# Altium PCB SFPP.PcbDoc (part 1 of 4) (continued)
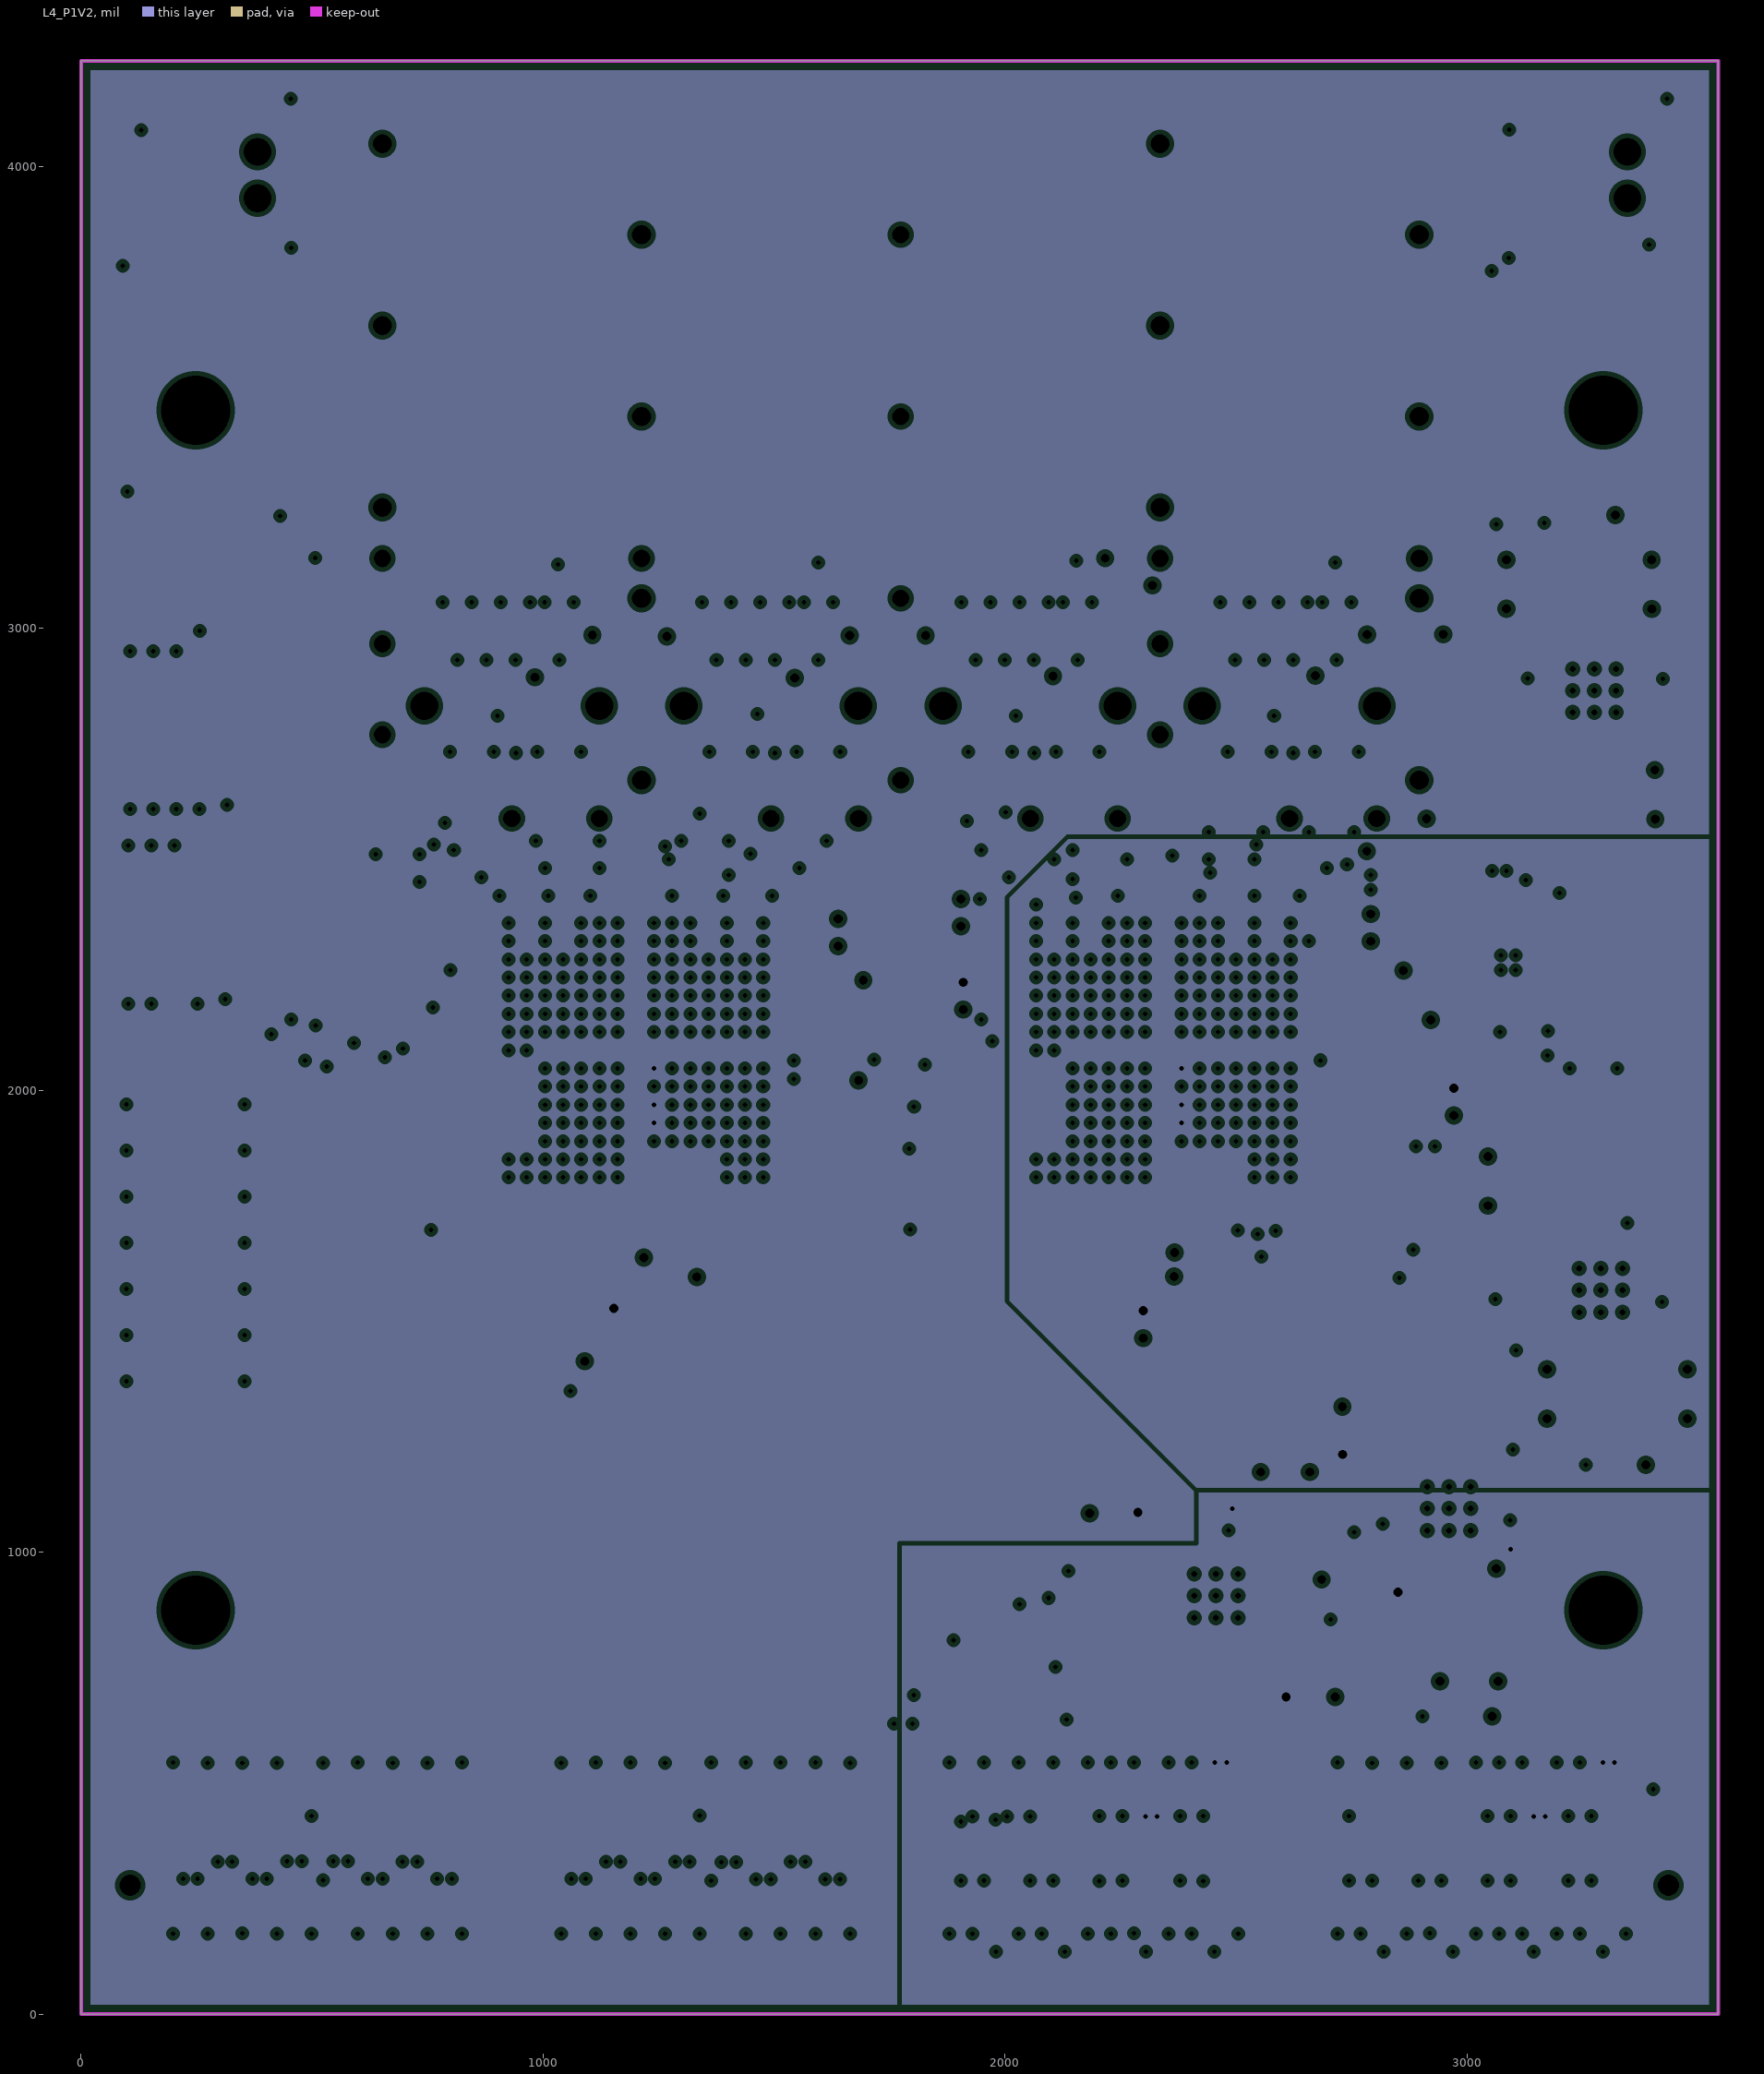
[diagram p4: L4_P1V2, clearances drawn from the general rule]
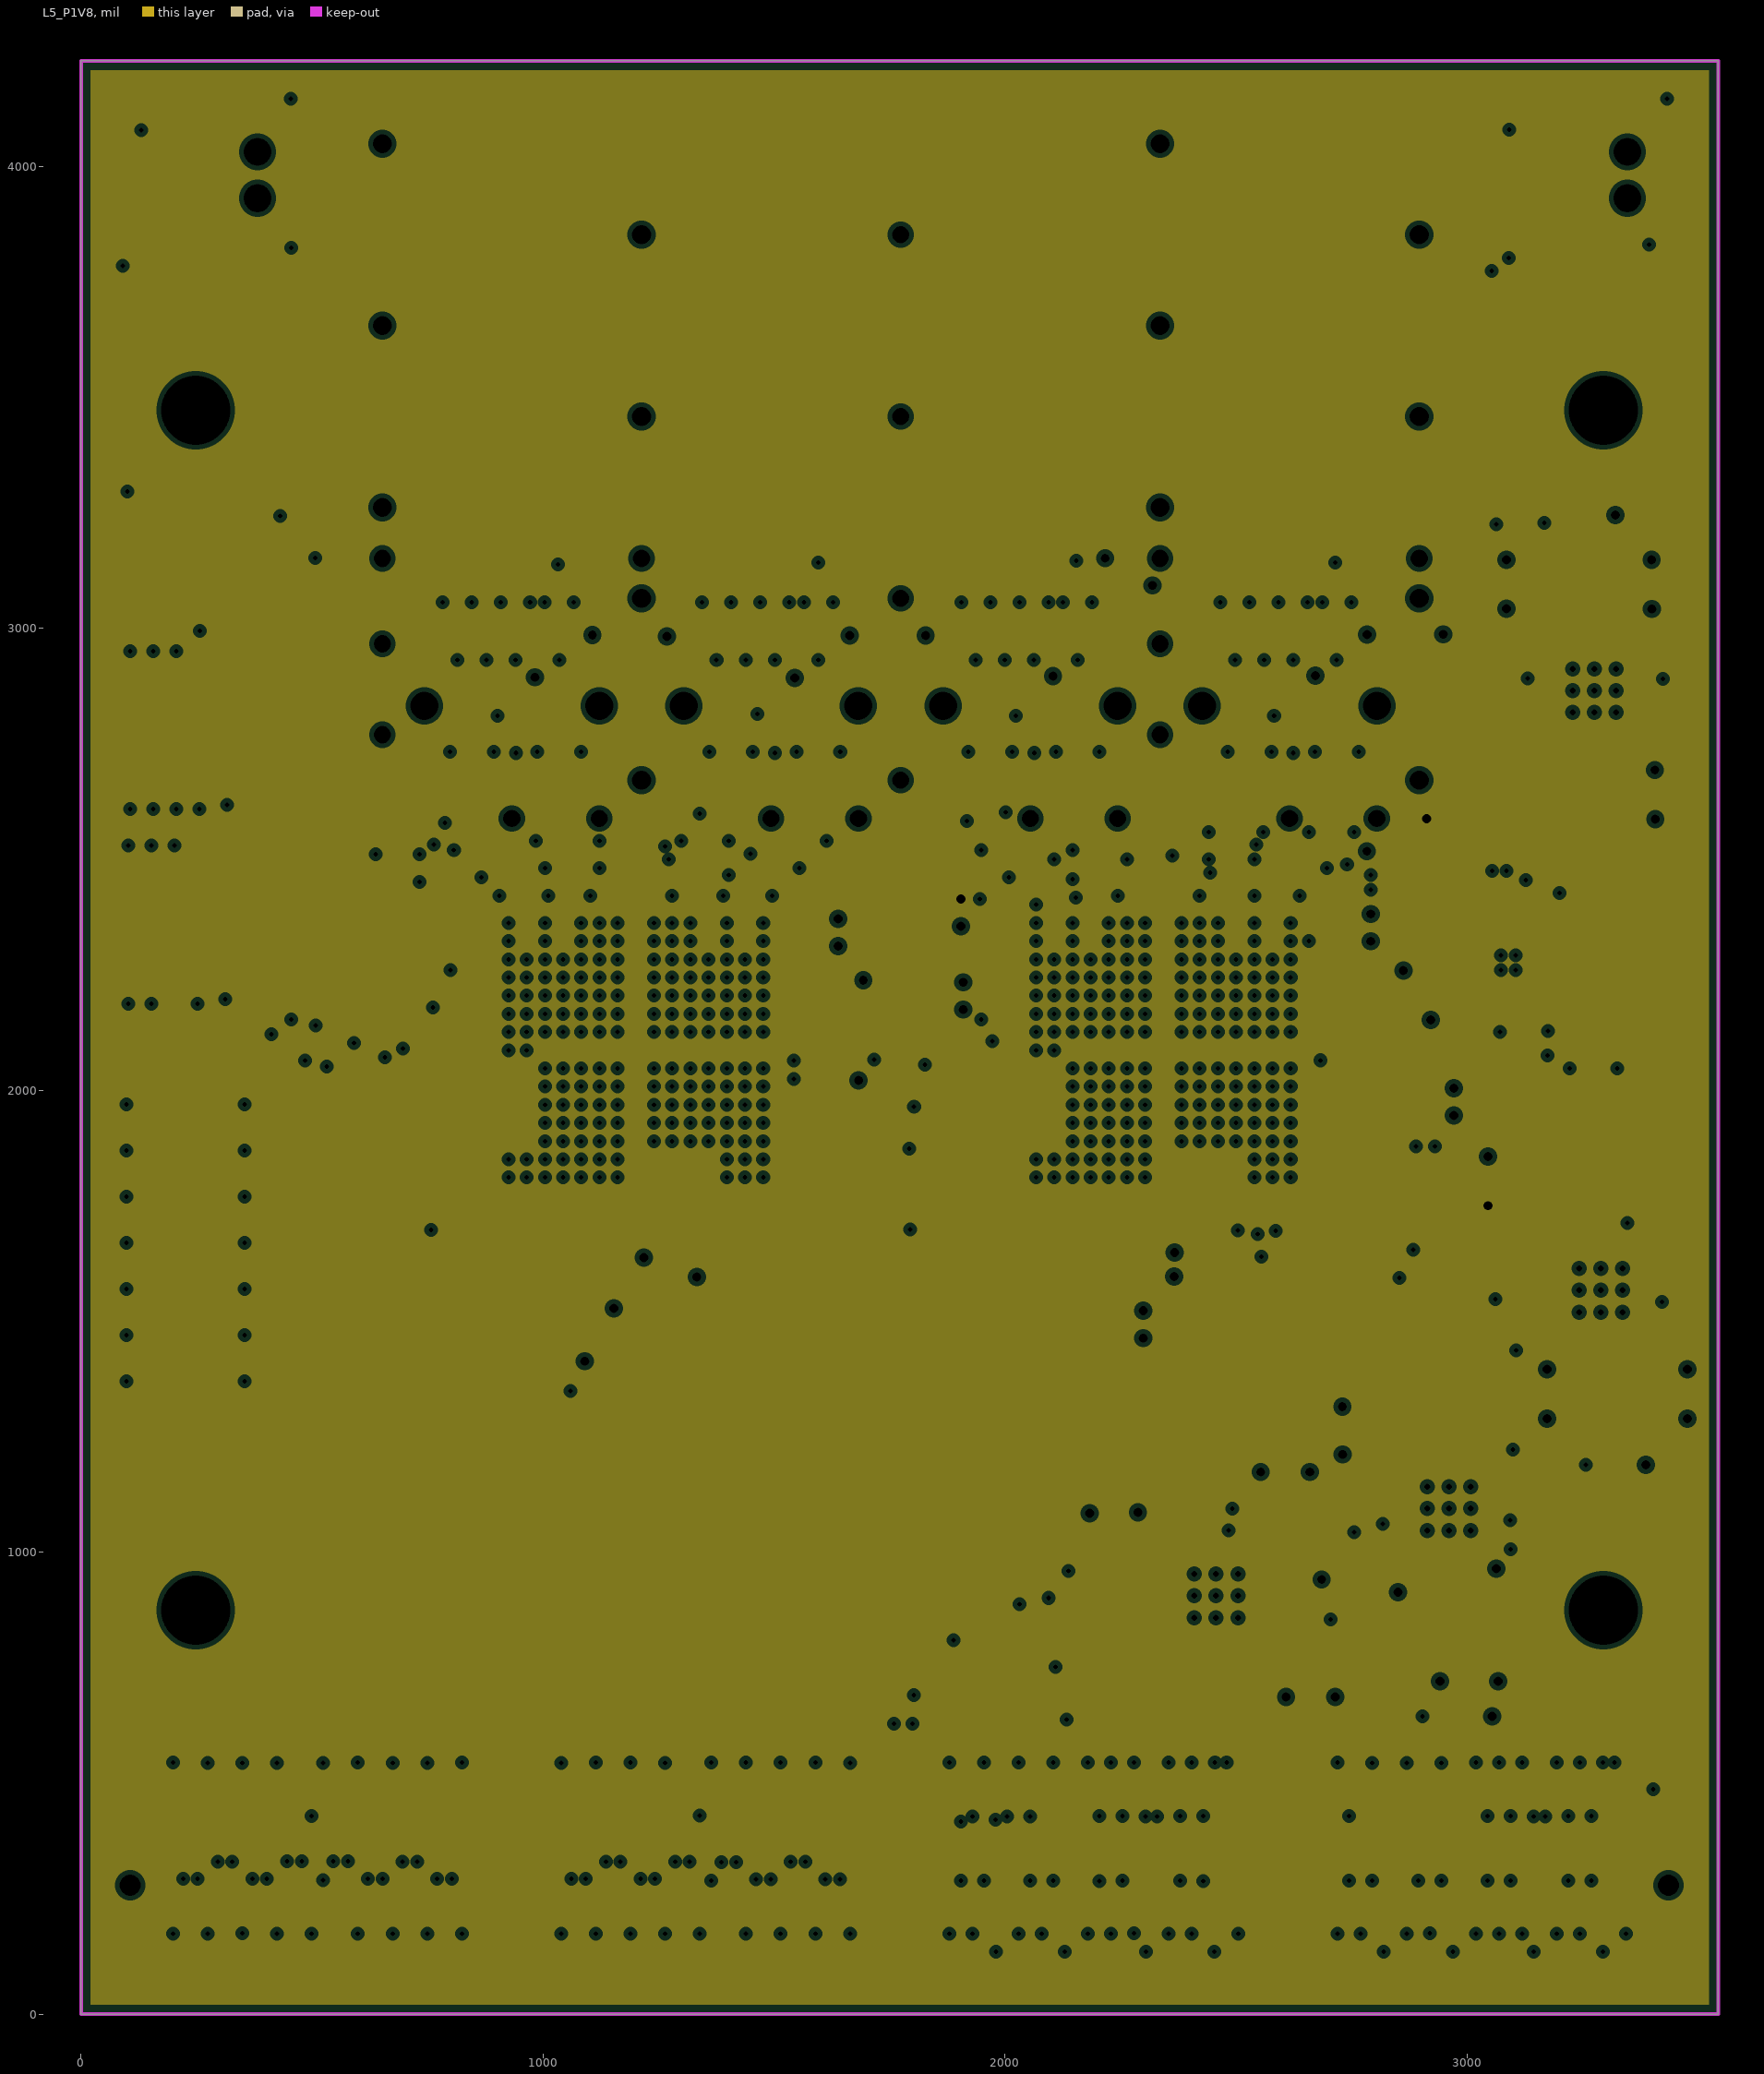
[diagram p5: L5_P1V8, clearances drawn from the general rule]
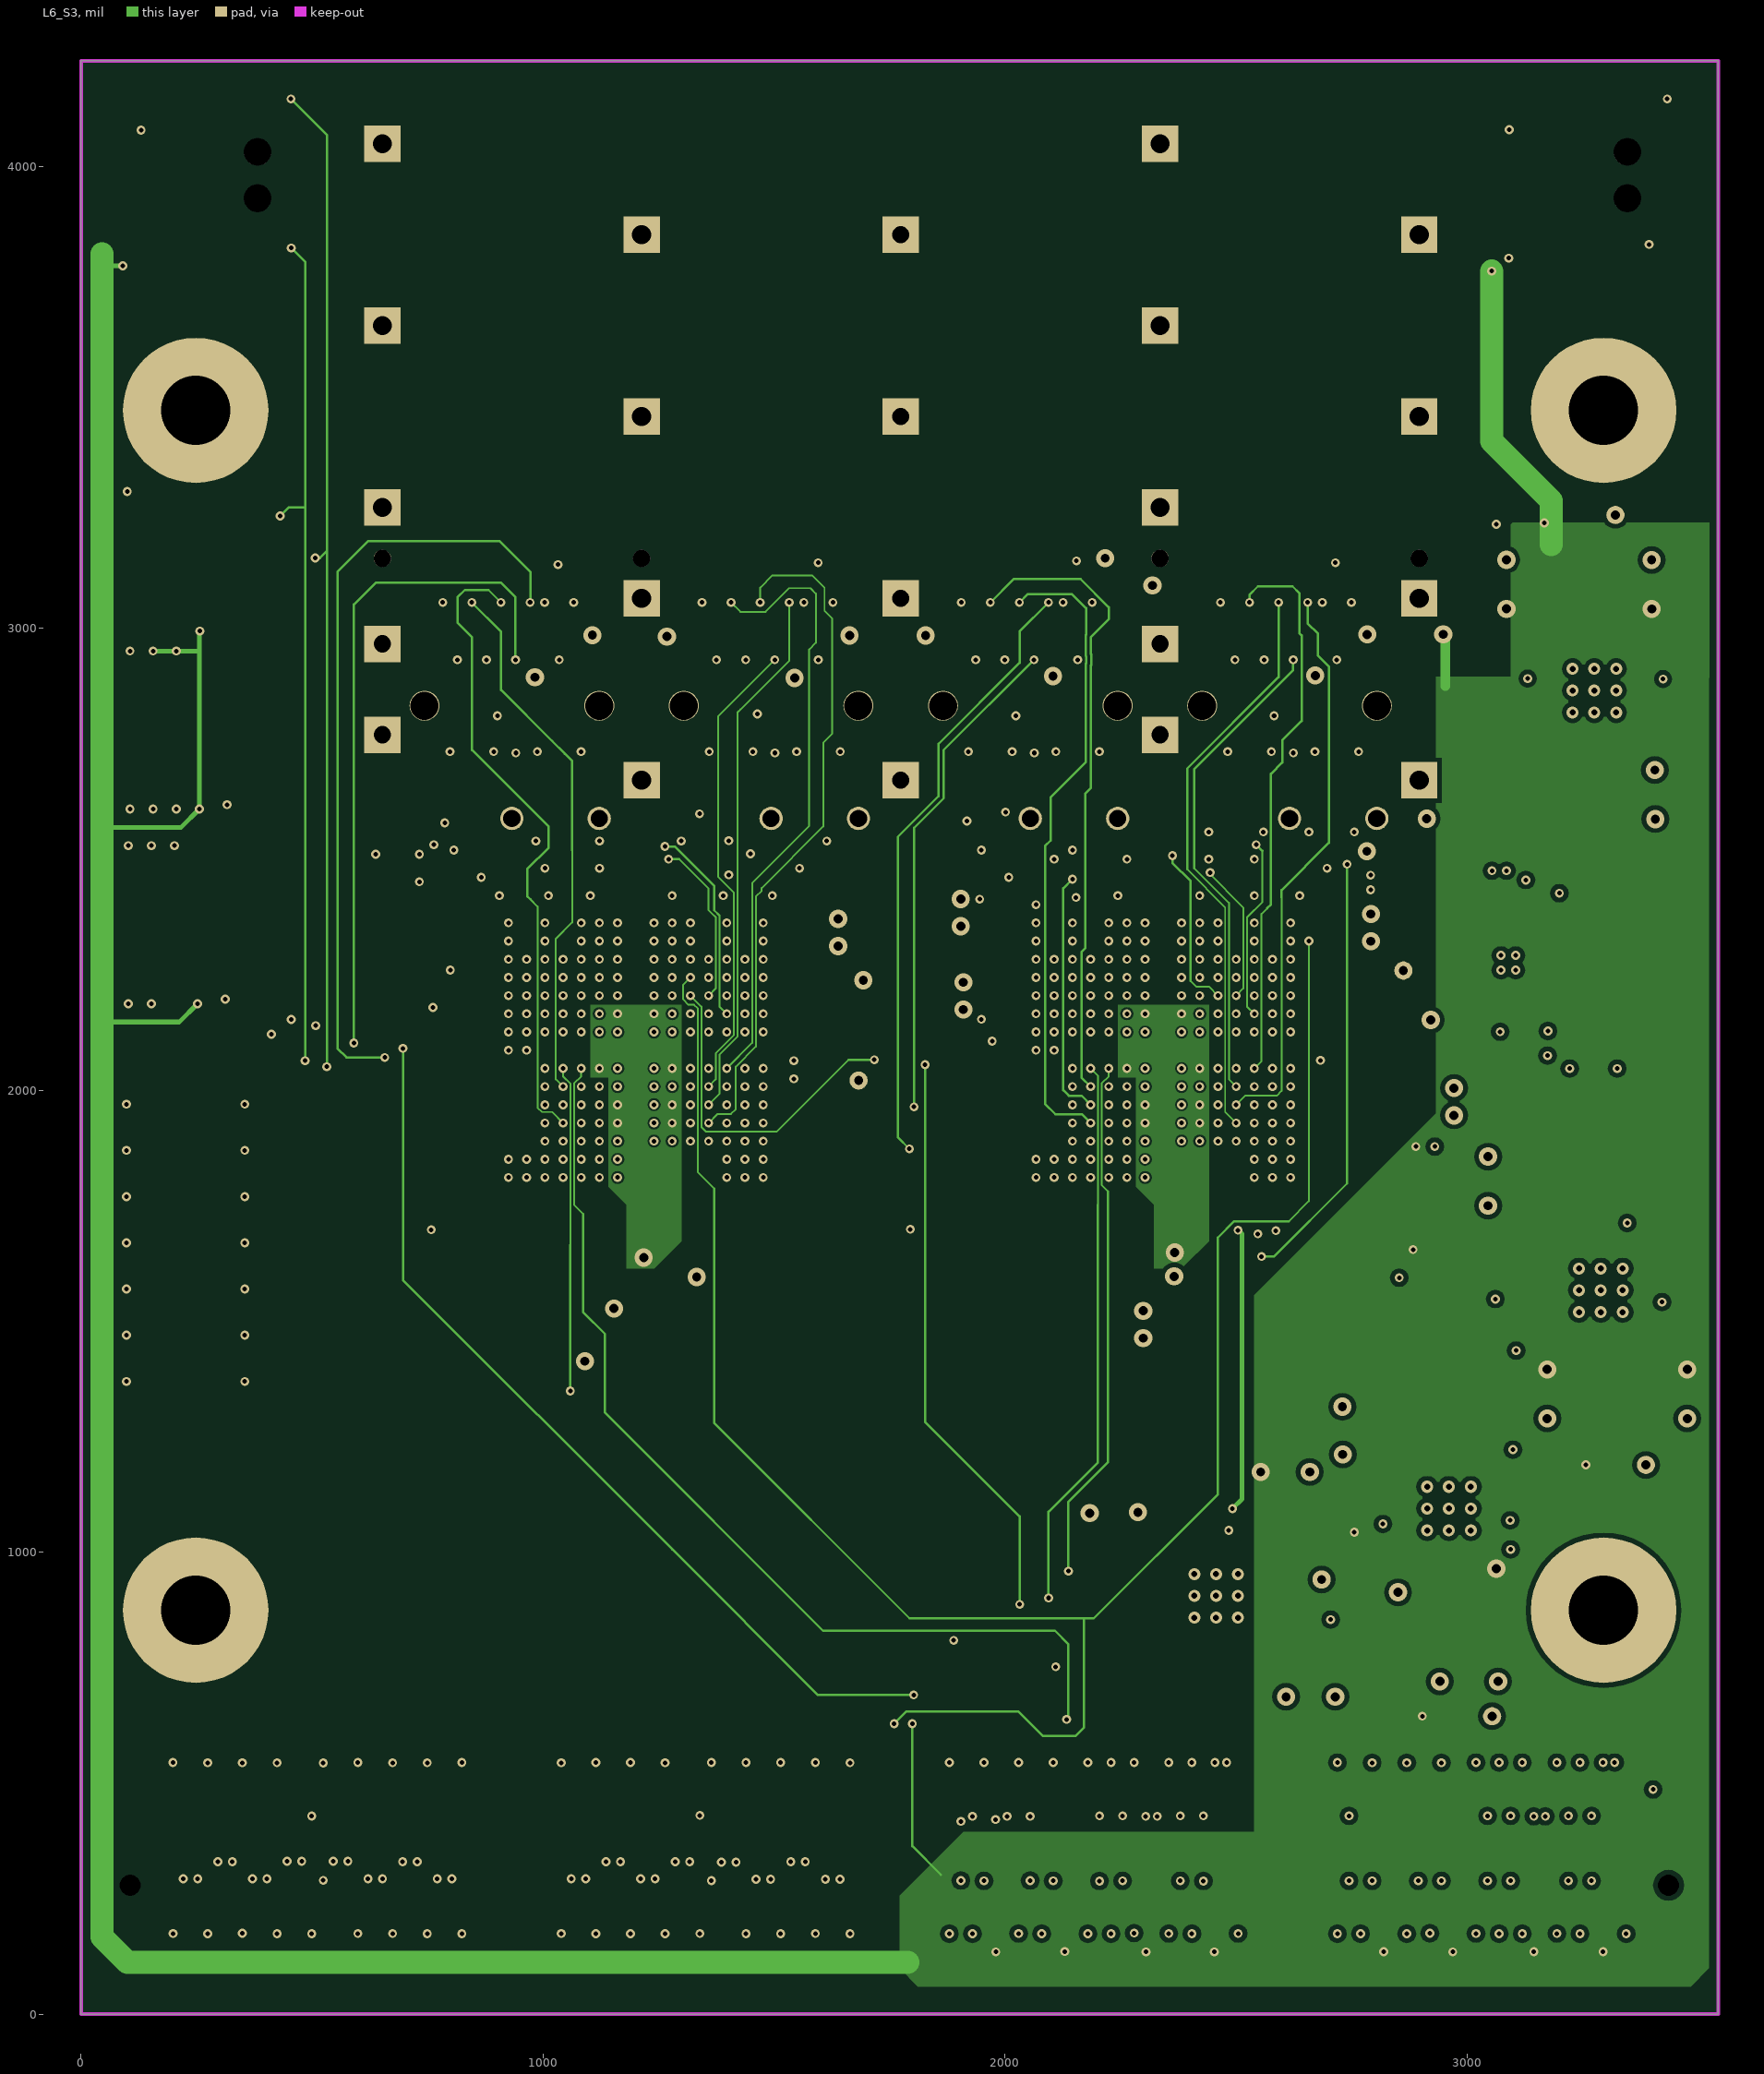
[diagram p6: L6_S3]